# KiCad board omodri_sa_laas.kicad_pcb
title: Open MOtor DRiver Initiative  - Single Axis (OMODRI_SA); date: 2024-05-15; rev: 1.0; company: LAAS/CNRS
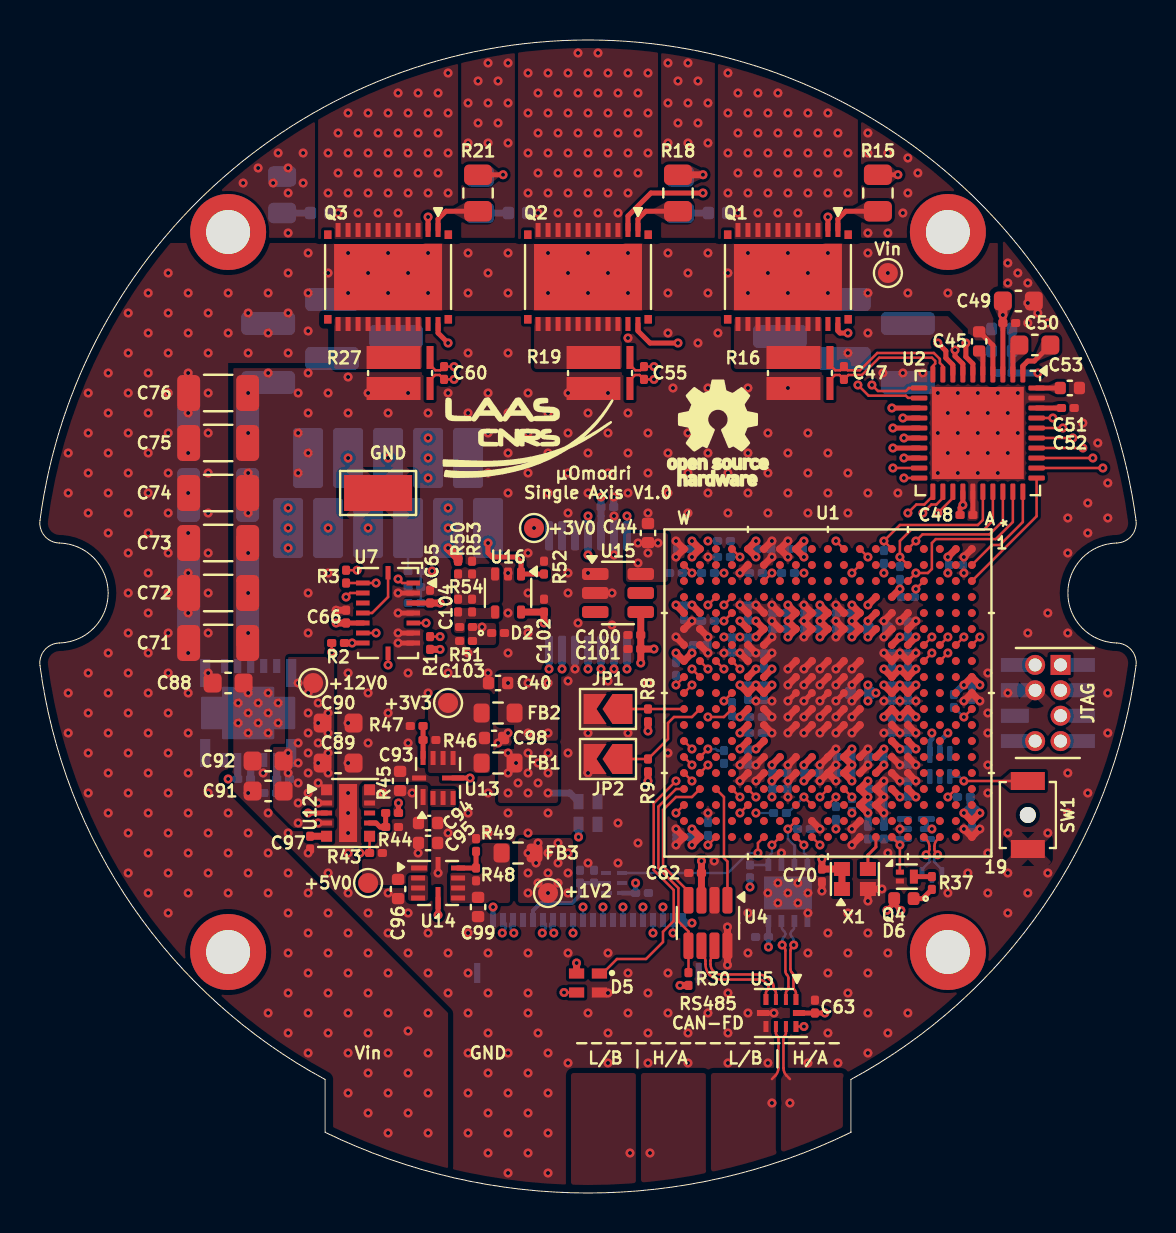
[diagram p0: board, top side]
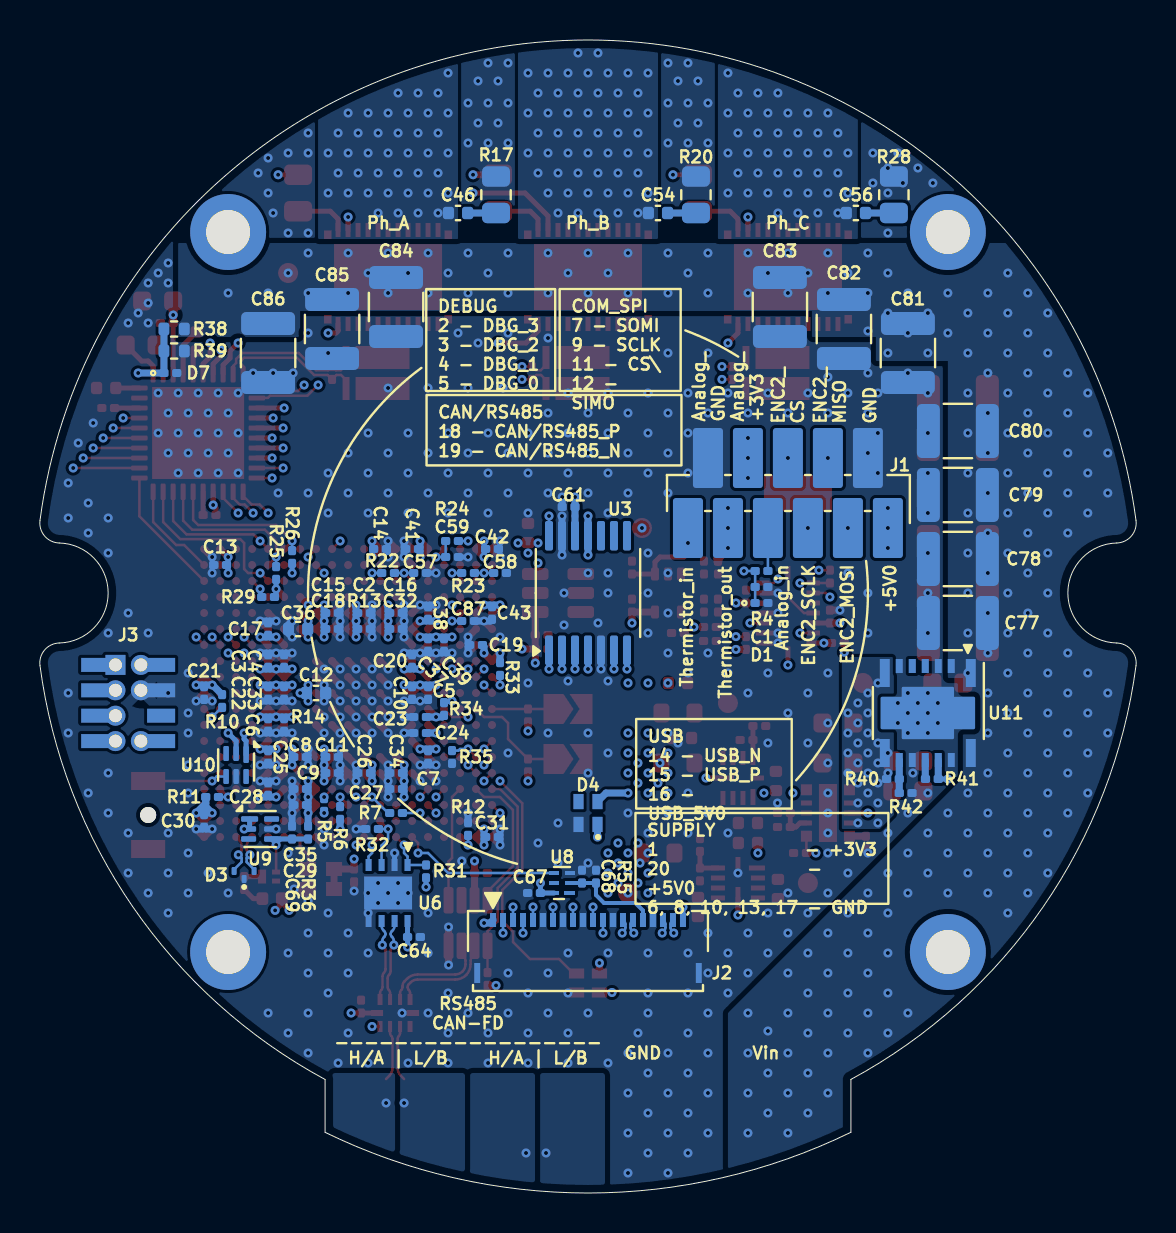
[diagram p1: board, bottom side, seen from below]

Outline 54.82 x 57.65 mm; copper layers: Top, In1_GND.Cu (plane), In2_sig.Cu, In3_GND.Cu (plane), In4_sig.Cu, In5_PWR.Cu (plane), In6_GND.Cu (plane), Bottom. Coordinates in mm from the lower left corner of the outline.
Outline path: 0,33.63 arc(27.41,57.65) 54.82,33.63 arc(54.59,32.85) 53.85,32.5 arc(51.41,30) 53.85,27.5 arc(54.59,27.15) 54.82,26.37 arc(50.18,14.31) 40.56,5.68 40.56,3.04 arc(27.41,0) 14.26,3.04 14.26,5.68 arc(4.64,14.31) 0,26.37 arc(0.23,27.15) 0.97,27.5 arc(3.41,30) 0.97,32.5 arc(0.23,32.85) 0,33.63
Stack: Top 0.035mm / dielectric 0.1mm FR4 er 4.5 / In1_GND.Cu 0.035mm / dielectric 0.3mm FR4 er 4.5 / In2_sig.Cu 0.035mm / dielectric 0.1mm FR4 er 4.5 / In3_GND.Cu 0.035mm / dielectric 0.3mm FR4 er 4.5 / In4_sig.Cu 0.035mm / dielectric 0.1mm FR4 er 4.5 / In5_PWR.Cu 0.035mm / dielectric 0.3mm FR4 er 4.5 / In6_GND.Cu 0.035mm / dielectric 0.1mm FR4 er 4.5 / Bottom 0.035mm

## Placement (name value [footprint] x y rotation side)
C1  220n  [C_0201_0603Metric]  18.73 30.3 180 bottom
C2  100n  [C_0201_0603Metric]  38.61 29 180 bottom
C3  100n  [C_0201_0603Metric]  43.41 26.6 90 bottom
C4  100n  [C_0201_0603Metric]  42.61 26.6 90 bottom
C5  100n  [C_0201_0603Metric]  35.41 25 270 bottom
C6  100n  [C_0201_0603Metric]  43.41 23.4 270 bottom
C7  100n  [C_0201_0603Metric]  35.41 21.8 270 bottom
C8  100n  [C_0201_0603Metric]  41.81 21.8 180 bottom
C9  100n  [C_0201_0603Metric]  40.21 21 180 bottom
C10  1u  [C_0201_0603Metric]  36.21 25 270 bottom
C11  1u  [C_0201_0603Metric]  40.21 21.8 180 bottom
C12  10u  [C_0402_1005Metric]  41.01 25 180 bottom
C13  100n  [C_0201_0603Metric]  45.81 31.4 0 bottom
C14  100n  [C_0201_0603Metric]  37.81 32.2 180 bottom
C15  100n  [C_0201_0603Metric]  40.21 29 180 bottom
C16  100n  [C_0201_0603Metric]  37.01 29 180 bottom
C17  100n  [C_0201_0603Metric]  43.41 28.2 90 bottom
C18  100n  [C_0201_0603Metric]  40.21 28.2 180 bottom
C19  100n  [C_0201_0603Metric]  33.01 27.4 0 bottom
C20  100n  [C_0201_0603Metric]  36.21 26.6 90 bottom
C21  100n  [C_0201_0603Metric]  46.61 25 270 bottom
C22  100n  [C_0201_0603Metric]  43.41 25 270 bottom
C23  100n  [C_0201_0603Metric]  35.81 23.8 0 bottom
C24  100n  [C_0201_0603Metric]  35.81 23 0 bottom
C25  100n  [C_0201_0603Metric]  43.41 21.8 270 bottom
C26  100n  [C_0201_0603Metric]  38.61 21 0 bottom
C27  100n  [C_0201_0603Metric]  37.01 20.2 0 bottom
C28  100n  [C_0201_0603Metric]  43.41 20.2 90 bottom
C29  100n  [C_0201_0603Metric]  41.81 19.4 0 bottom
C30  100n  [C_0201_0603Metric]  46.61 18.6 270 bottom
C31  100n  [C_0201_0603Metric]  32.21 17.8 180 bottom
C32  1u  [C_0201_0603Metric]  37.01 28.2 180 bottom
C33  1u  [C_0201_0603Metric]  42.61 25 270 bottom
C34  1u  [C_0201_0603Metric]  37.01 21 0 bottom
C35  1u  [C_0201_0603Metric]  41.81 20.2 0 bottom
C36  10u  [C_0402_1005Metric]  41.91 28.2 0 bottom
C37  100n  [C_0201_0603Metric]  35.41 27.4 270 bottom
C38  100n  [C_0201_0603Metric]  35.41 29 90 bottom
C39  1u  [C_0201_0603Metric]  34.61 27.4 270 bottom
C40  10u  [C_0402_1005Metric]  22.91 25.5 180 top
C41  100n  [C_0201_0603Metric]  36.21 32.2 0 bottom
C42  100n  [C_0201_0603Metric]  32.21 32.2 180 bottom
C43  1u  [C_0201_0603Metric]  32.21 29 270 bottom
C44  10u  [C_0402_1005Metric]  30.41 33 90 top
C45  1u  [C_0402_1005Metric]  46.98 42.58 270 top
C46  4.7n  [C_0402_1005Metric]  33.91 49 0 bottom
C47  1.8n  [C_0201_0603Metric]  40.21 41 90 top
C48  100n  [C_0201_0603Metric]  46.34 33.9 0 top
C49  10u  [C_0603_1608Metric]  48.94 44.6 0 top
C50  100n  [C_0201_0603Metric]  48.48 43.5 0 top
C51  1u  [C_0402_1005Metric]  51.51 40.25 180 top
C52  1u  [C_0201_0603Metric]  51.41 39.25 0 top
C53  47n  [C_0603_1608Metric]  49.76 42.4 0 top
C54  4.7n  [C_0402_1005Metric]  23.91 49 0 bottom
C55  1.8n  [C_0201_0603Metric]  30.21 41 90 top
C56  4.7n  [C_0402_1005Metric]  14.01 49 0 bottom
C57  1.8n  [C_0201_0603Metric]  35.81 31 180 bottom
C58  1.8n  [C_0201_0603Metric]  31.81 31 180 bottom
C59  1.8n  [C_0201_0603Metric]  34.21 31.8 180 bottom
C60  1.8n  [C_0201_0603Metric]  20.21 41 90 top
C61  100n  [C_0201_0603Metric]  28.38 34.3 0 bottom
C62  100n  [C_0201_0603Metric]  32.77 16 180 top
C63  100n  [C_0201_0603Metric]  38.76 9.32 90 top
C64  100n  [C_0201_0603Metric]  36.12 12.8 180 bottom
C65  100n  [C_0201_0603Metric]  19.51 29.82 90 top
C66  100n  [C_0201_0603Metric]  15.31 28.82 90 top
C67  100n  [C_0201_0603Metric]  30.11 15 0 bottom
C68  100n  [C_0201_0603Metric]  27.71 15.82 270 bottom
C69  100n  [C_0201_0603Metric]  42.21 18.02 90 bottom
C70  100n  [C_0201_0603Metric]  39.11 15.88 270 top
C71  4.7u  [C_1206_3216Metric]  8.91 27.5 0 top
C72  4.7u  [C_1206_3216Metric]  8.91 30 0 top
C73  4.7u  [C_1206_3216Metric]  8.91 32.5 0 top
C74  4.7u  [C_1206_3216Metric]  8.91 35 0 top
C75  4.7u  [C_1206_3216Metric]  8.91 37.5 0 top
C76  4.7u  [C_1206_3216Metric]  8.91 40 0 top
C77  10u  [C_1210_3225Metric]  8.91 28.5 0 bottom
C78  10u  [C_1210_3225Metric]  8.91 31.7 0 bottom
C79  10u  [C_1210_3225Metric]  8.91 34.9 0 bottom
C80  10u  [C_1210_3225Metric]  8.91 38.1 0 bottom
C81  10u  [C_1210_3225Metric]  11.41 42 270 bottom
C82  10u  [C_1210_3225Metric]  14.61 43.2 270 bottom
C83  10u  [C_1210_3225Metric]  17.81 44.3 270 bottom
C84  10u  [C_1210_3225Metric]  37.01 44.3 270 bottom
C85  10u  [C_1210_3225Metric]  40.21 43.2 270 bottom
C86  10u  [C_1210_3225Metric]  43.41 42 270 bottom
C87  100n  [C_0201_0603Metric]  33.41 28.6 180 bottom
C88  100n  [C_0603_1608Metric]  9.41 25.5 0 top
C89  10u  [C_0603_1608Metric]  14.91 21.5 0 top
C90  10u  [C_0603_1608Metric]  14.91 23.5 0 top
C91  10u  [C_0603_1608Metric]  11.41 20.1 180 top
C92  10u  [C_0603_1608Metric]  11.41 21.6 180 top
C93  10u  [C_0402_1005Metric]  18.01 20.6 90 top
C94  10u  [C_0402_1005Metric]  19.41 18.5 0 top
C95  10u  [C_0402_1005Metric]  19.41 17.5 0 top
C96  10u  [C_0402_1005Metric]  17.91 15.2 270 top
C97  1.8n  [C_0201_0603Metric]  13.51 17.52 270 top
C98  10u  [C_0402_1005Metric]  22.71 22.75 0 top
C99  10u  [C_0402_1005Metric]  21.91 14.3 270 top
C100  1u  [C_0201_0603Metric]  29.73 27.9 180 top
C101  100n  [C_0201_0603Metric]  29.73 27.2 180 top
C102  100n  [C_0201_0603Metric]  25.21 29.37 90 top
C103  220n  [C_0201_0603Metric]  21.31 27.6 180 top
C104  1.8n  [C_0201_0603Metric]  20.91 29.37 270 top
D1  TPD1E04U04  [D_0201_0603Metric]  18.73 29.5 180 bottom
D2  TPD1E04U04  [D_0201_0603Metric]  22.91 28 0 top
D3  ESD122  [TI_X2SON-3_1.3x0.6mm_P1.0mm]  44.61 15.9 90 bottom
D4  NeoPixel_1515  [NeoPixel_SK6805_1.5x1.5mm]  27.41 19 90 bottom
D5  NeoPixel_1515  [NeoPixel_SK6805_1.5x1.5mm]  27.41 10.5 180 top
D6  LED GREEN  [LED_0402_1005Metric]  43.21 14.72 180 top
D7  TPD1E04U04  [D_0201_0603Metric]  48.3 41 180 bottom
FB1  220  [R_0603_1608Metric]  22.91 21.5 0 top
FB2  220  [R_0603_1608Metric]  22.91 24 0 top
FB3  220  [R_0603_1608Metric]  23.91 17 0 top
G1  SYM_LAAS  [logo_laas]  24.41 38 0 top
G2  SYM_PROJECT  [logo_OpenHardware]  33.91 38 0 top
H1  MountingHole  [MountingHole_2.2mm_M2_ISO14580_Pad_TopBottom]  9.41 12.05 0 top
H2  MountingHole  [MountingHole_2.2mm_M2_ISO14580_Pad_TopBottom]  45.41 48.05 0 top
H3  MountingHole  [MountingHole_2.2mm_M2_ISO14580_Pad_TopBottom]  9.41 48.05 0 top
H4  MountingHole  [MountingHole_2.2mm_M2_ISO14580_Pad_TopBottom]  45.41 12.05 0 top
J1  Conn_01x11  [PinSocket_1x11_P1.00mm_SMD_Pin1Right_omodri_sa]  17.41 35 270 bottom
J2  conn_01x20_MountingPins  [Molex_FBH1_FFC_FPC_503480-2000_1x20-2MP_P0.50mm_Horizontal]  27.41 11 180 bottom
J3  SAMTEC_CLP_02x04_SMD  [SAMTEC_CLP-104-02-L-D-BE]  50.41 24.5 0 top
JP1  SolderJumper_2_Open  [SolderJumper-2_P1.3mm_Open_TrianglePad1.0x1.5mm]  28.41 24.2 180 top
JP2  SolderJumper_2_Open  [SolderJumper-2_P1.3mm_Open_TrianglePad1.0x1.5mm]  28.41 21.7 180 top
Q1  CSD88599Q5DC  [VSON_CLIP_22]  37.41 45.8 270 top
Q2  CSD88599Q5DC  [VSON_CLIP_22]  27.41 45.8 270 top
Q3  CSD88599Q5DC  [VSON_CLIP_22]  17.41 45.8 270 top
Q4  NX7002BKM  [Diodes_DFN1006-3]  43.36 15.82 0 top
R1  10k  [R_0201_0603Metric]  19.51 27.5 270 top
R2  10  [R_0201_0603Metric]  14.91 27.5 180 top
R3  10  [R_0201_0603Metric]  15.31 30.82 90 top
R4  120  [R_0201_0603Metric]  18.73 31.1 180 bottom
R5  10  [R_0201_0603Metric]  40.61 19.4 270 bottom
R6  10k  [R_0201_0603Metric]  39.81 19 90 bottom
R7  10  [R_0201_0603Metric]  37.01 19 180 bottom
R8  10k  [R_0201_0603Metric]  30.41 23.88 90 top
R9  10k  [R_0201_0603Metric]  30.41 21.38 90 top
R10  10k  [R_0201_0603Metric]  45.71 24.6 270 bottom
R11  10k  [R_0201_0603Metric]  46.21 19.8 180 bottom
R12  10k  [R_0201_0603Metric]  33.41 18.2 90 bottom
R13  120  [R_0201_0603Metric]  38.61 28.2 180 bottom
R14  120  [R_0201_0603Metric]  42.61 23.4 270 bottom
R15  4.7  [R_0805_2012Metric]  41.91 50 270 top
R16  0.005  [FC4L32]  38.01 41 270 top
R17  2.2  [R_0805_2012Metric]  32.01 49.91 270 bottom
R18  4.7  [R_0805_2012Metric]  31.91 50 270 top
R19  0.005  [FC4L32]  28.01 41 270 top
R20  2.2  [R_0805_2012Metric]  22.01 49.91 270 bottom
R21  4.7  [R_0805_2012Metric]  21.91 50 270 top
R22  120  [R_0201_0603Metric]  37.41 31 0 bottom
R23  120  [R_0201_0603Metric]  33.41 31 0 bottom
R24  120  [R_0201_0603Metric]  34.21 32.6 180 bottom
R25  10k  [R_0201_0603Metric]  43.01 31 270 bottom
R26  10k  [R_0201_0603Metric]  42.21 31.8 270 bottom
R27  0.005  [FC4L32]  18.01 41 270 top
R28  2.2  [R_0805_2012Metric]  12.11 49.91 270 bottom
R29  10k  [R_0201_0603Metric]  43.41 29.8 180 bottom
R30  10k  [R_0201_0603Metric]  32.44 10.7 90 top
R31  10k  [R_0201_0603Metric]  35.51 16.08 270 bottom
R32  10k  [R_0201_0603Metric]  38.21 18.2 180 bottom
R33  10k  [R_0201_0603Metric]  31.81 26.2 90 bottom
R34  10k  [R_0201_0603Metric]  34.61 24.2 270 bottom
R35  10k  [R_0201_0603Metric]  34.21 21.8 270 bottom
R36  10k  [R_0201_0603Metric]  41.41 18.02 270 bottom
R37  120  [R_0201_0603Metric]  44.61 15.5 90 top
R38  100k  [R_0402_1005Metric]  48.11 43.2 0 bottom
R39  5.1k  [R_0402_1005Metric]  48.11 42.1 180 bottom
R40  100k  [R_0201_0603Metric]  12.16 20.7 180 bottom
R41  100k  [R_0201_0603Metric]  10.21 20.7 0 bottom
R42  9.09k  [R_0201_0603Metric]  11.52 20 0 bottom
R43  100k  [R_0201_0603Metric]  16.81 17 180 top
R44  100k  [R_0201_0603Metric]  17.61 18.3 180 top
R45  13.7k  [R_0201_0603Metric]  17.61 19 180 top
R46  100k  [R_0201_0603Metric]  19.48 22.65 180 top
R47  22.1k  [R_0201_0603Metric]  18.84 23.35 180 top
R48  100k  [R_0201_0603Metric]  21.81 15.93 90 top
R49  100k  [R_0201_0603Metric]  21.81 17.4 90 top
R50  6.84k  [R_0201_0603Metric]  20.91 31.27 90 top
R51  120  [R_0201_0603Metric]  21.31 28.3 0 top
R52  10k  [R_0201_0603Metric]  25.21 31.27 270 top
R53  6.22k  [R_0201_0603Metric]  21.61 31.27 270 top
R54  10k  [R_0201_0603Metric]  21.61 29.37 270 top
R55  100k  [R_0201_0603Metric]  27.01 15.82 90 bottom
SW1  B3U-1000P-B  [SW_SPST_B3U-1000P-B]  49.41 18.9 90 top
TP1  GND  [TestPoint_Keystone_5015_Micro-Minature]  16.91 35 0 top
TP2  TestPoint  [TestPoint_Pad_D1.0mm]  42.41 46 0 top
TP3  TestPoint  [TestPoint_Pad_D1.0mm]  13.66 25.5 0 top
TP4  TestPoint  [TestPoint_Pad_D1.0mm]  16.41 15.5 0 top
TP5  TestPoint  [TestPoint_Pad_D1.0mm]  20.41 24.5 0 top
TP6  TestPoint  [TestPoint_Pad_D1.0mm]  25.41 15 0 top
TP7  TestPoint  [TestPoint_Pad_D1.0mm]  24.71 33.25 0 top
U1  TMS320F28388D  [NFBGA_337]  39.41 25 270 top
U2  DRV8353S  [QFN-40-1EP_6x6mm_P0.5mm_EP4.6x4.6mm]  46.91 38 270 top
U3  AS5047U  [TSSOP-14_4.4x5mm_P0.65mm]  27.41 30 90 bottom
U4  TCAN3414  [SOT-23-8]  33.41 13.5 270 top
U5  TS3USB221E  [UQFN-10_1.5x2mm_P0.5mm]  37.06 9 270 top
U6  THVD2450  [VSON-8-1EP_3.0x3.0mm_P0.65mm_EP1.65x2.4mm]  37.41 15 270 bottom
U7  BMI088  [Bosch_LGA-16_4.5x3.0mm_P0.5mm]  17.41 29 0 top
U8  74LVC1G17  [SOT886_USON_6_1.45x1.0mm_P0.5mm]  28.71 15.5 0 bottom
U9  TPS3703-3.3  [WSON-6_1.5x1.5mm_P0.5mm]  43.81 18.2 180 bottom
U10  TPS3703-1.2  [WSON-6_1.5x1.5mm_P0.5mm]  45.01 21.4 270 bottom
U11  TPSM560R6H  [B3QFN_15]  10.41 24 270 bottom
U12  TPSM8290x  [uSIP_11]  15.41 19 0 top
U13  MPM3804GG-Z  [QFN-10_2x2mm_P0.5mm]  19.91 20.75 90 top
U14  MPM3804GG-Z  [QFN-10_2x2mm_P0.5mm]  19.91 15.5 0 top
U15  LT6654AIS6-3  [TSOT-23-6]  28.91 30 0 top
U16  OPA333xxDCK  [SOT-353_SC-70-5]  23.41 30 270 top
X1  ECS-TXO-2016  [TCXO_SMD_Ecs_TXO-2016-4Pin_2.0x1.6mm]  40.76 15.7 0 top

## Library data of the parts
C1 = -: Datasheet: https://www.murata.com/en-eu/products/productdetail?partno=GRM033R61C224KE14%23; Description: 0201, 220nf, 16V,  ±10%, X5R, SMD MLCC; DigiKey: 490-17040-1-ND; Farnell: 3582770; LCSC: C161474; Mouser: 81-GRM033R61C224KE4D; Part No: GRM033R61C224KE14D; Manufacturer: MURATA; Assembling: SMD; ki_fp_filters: C_*
C2-C9 C18-C31 C37 C38 C42 C48 C50 C61 C63-C69 = -: Datasheet: https://www.murata.com/en-eu/products/productdetail?partno=GRM033R61E104KE14%23; Description: 0201, 100nf, 25V,  ±10%, X5R, SMD MLCC; DigiKey: 490-12686-1-ND; Farnell: 2990693; LCSC: C76939; Mouser: 81-GRM033R61E104KE4D; Part No: GRM033R61E104KE14D; RS: 185-2066; Manufacturer: MURATA; Assembling: SMD; ki_fp_filters: C_*
C10 C11 C32-C35 C39 C43 C52 = -: Datasheet: https://www.murata.com/en-eu/products/productdetail?partno=GRM033C81A105ME05%23; Description: 0201, 1uf, 10V,  ±20%, X6S, SMD MLCC; DigiKey: 490-13219-1-ND; Farnell: 3243316; LCSC: C237278; Mouser: 81-GRM033C81A105ME5D; Part No: GRM033C81A105ME05D; Manufacturer: MURATA; Assembling: SMD; ki_fp_filters: C_*
C12 C36 C40 = -: Datasheet: https://www.murata.com/en-eu/products/productdetail?partno=GRM155R61A106ME11%23; Description: 0402, 10uf, 10V,  ±20%, X5R, SMD MLCC; DigiKey: 490-GRM155R61A106ME11DCT-ND; Farnell: 3785802; LCSC: C408132; Mouser: 81-GRM155R61A106ME1D; Part No: GRM155R61A106ME11D; RS: 260-8765; Manufacturer: MURATA; Assembling: SMD; ki_fp_filters: C_*
C13-C17 C87 = -: Datasheet: https://www.murata.com/en-eu/products/productdetail?partno=GRM033R61E104KE14%23; Description: 0201, 100nf, 25V,  ±10%, X5R, SMD MLCC; Part No: GRM033R61E104KE14D; Farnell: 2990693; RS: 185-2066; Mouser: 81-GRM033R61E104KE4D; DigiKey: 490-12686-1-ND; LCSC: C76939; Manufacturer: MURATA; Assembling: SMD; ki_fp_filters: C_*
C41 C62 C70 C101 C102 = -: Datasheet: https://www.murata.com/en-eu/products/productdetail?partno=GRM033R61E104KE14%23; Description: 0201, 100nf, 25V,  ±10%, X5R, SMD MLCC; DigiKey: 490-12686-1-ND; Farnell: 2990693; Mouser: 81-GRM033R61E104KE4D; Part No: GRM033R61E104KE14D; RS: 185-2066; LCSC: C76939; Manufacturer: MURATA; Assembling: SMD; ki_fp_filters: C_*
C44 C94-C96 C98 C99 = -: Datasheet: https://www.murata.com/en-eu/products/productdetail?partno=GRM155R61A106ME11%23; Description: 0402, 10uf, 10V,  ±20%, X5R, SMD MLCC; DigiKey: 490-GRM155R61A106ME11DCT-ND; Farnell: 3785802; Mouser: 81-GRM155R61A106ME1D; Part No: GRM155R61A106ME11D; RS: 260-8765; LCSC: C408132; Manufacturer: MURATA; Assembling: SMD; ki_fp_filters: C_*
C45 C51 = -: Datasheet: https://product.tdk.com/en/search/capacitor/ceramic/mlcc/info?part_no=C1005X5R1V105K050BE; Description: 0402, 1uf, 35V,  ±10%, X5R, SMD MLCC; DigiKey: 445-175218-1-ND; Farnell: 3416060; LCSC: C2169271; Mouser: 810-C1005X5R1V105KE; Part No: C1005X5R1V105K050BE; RS: 242-7292; Manufacturer: TDK; Assembling: SMD; ki_fp_filters: C_*
C46 C54 C56 = -: Datasheet: https://www.murata.com/en-eu/products/productdetail?partno=GRM155R72A472KA01%23; Description: 0402, 4700pf, 100V,  ±10%, X7R, SMD MLCC; DigiKey: 490-3885-1-ND; Farnell: 3581702; LCSC: C415704; Mouser: 81-GRM155R72A472KA01; Part No: GRM155R72A472KA01D; Manufacturer: MURATA; Assembling: SMD; ki_fp_filters: C_*
C47 C55 C57-C60 = -: Datasheet: https://www.murata.com/en-eu/products/productdetail?partno=GRM033R71E182KA12%23; Description: 0201, 1800pF, 25V, ±10%, X7R, SMD MLCC; DigiKey: 490-GRM033R71E182KA12DTR-ND; Farnell: 2999522; LCSC: C237560; Mouser: 81-GRM033R71E182KA2D; Part No: GRM033R71E182KA12D; Manufacturer: MURATA; Assembling: SMD; ki_fp_filters: C_*
C49 = -: Datasheet: https://www.murata.com/en-eu/products/productdetail?partno=GRM188R61E106MA73%23; Description: 0603, 10uf, 25V,  ±20%, X5R, SMD MLCC; DigiKey: 490-7202-1-ND; Farnell: 1907503; LCSC: C91606; Mouser: 81-GRM188R61E106MA3D; Part No: GRM188R61E106MA73D; RS: 815-1377; Manufacturer: MURATA; Assembling: SMD; ki_fp_filters: C_*
C53 = -: Datasheet: https://product.tdk.com/en/search/capacitor/ceramic/mlcc/info?part_no=C1608X7S2A473K080AB; Description: 0603, 47nf, 100V,  ±10%, X7S, SMD MLCC; DigiKey: 445-6032-1-ND; Farnell: 2906791; LCSC: C2182109; Mouser: 810-C1608X7S2A473K; Part No: C1608X7S2A473K080AB; Manufacturer: TDK; Assembling: SMD; ki_fp_filters: C_*
C71 C75 C76 = -: Datasheet: https://www.murata.com/en-eu/products/productdetail?partno=GRM31CC72A475KE11%23; Description: 1206, 4.7uf, 100V,  ±10%, X7S, SMD MLCC; DigiKey: 490-18620-1-ND; Farnell: 3790450; LCSC: C237304; Mouser: 81-GRM31CC72A475KE1L; Part No: GRM31CC72A475KE11#; RS: 2478147; Manufacturer: MURATA; Assembling: SMD; ki_fp_filters: C_*
C72 = -: Datasheet: https://www.murata.com/en-eu/products/productdetail?partno=GRM31CC72A475KE11%23; Description: 1206, 4.7uf, 100V,  ±10%, X7S, SMD MLCC; Part No: GRM31CC72A475KE11#; Farnell: 3790450; RS: 2478147; Mouser: 81-GRM31CC72A475KE1L; DigiKey: 490-18620-1-ND; LCSC: C237304; Manufacturer: MURATA; Assembling: SMD; ki_fp_filters: C_*
C73 C74 = -: Datasheet: https://www.murata.com/en-eu/products/productdetail?partno=GRM31CC72A475KE11%23; Description: 1206, 4.7uf, 100V,  ±10%, X7S, SMD MLCC; DigiKey: 490-18620-1-ND; Farnell: 3790450; Mouser: 81-GRM31CC72A475KE1L; Part No: GRM31CC72A475KE11#; LCSC: C237304; RS: 2478147; Manufacturer: MURATA; Assembling: SMD; ki_fp_filters: C_*
C77 C82 C83 = -: Datasheet: https://www.murata.com/en-eu/products/productdetail?partno=GRM32EC72A106KE05%23; Description: 1210, 10uf, 100V,  ±10%, X7S, SMD MLCC; DigiKey: 490-16266-1-ND; Farnell: 3581425; LCSC: C576517; Mouser: 81-GRM32EC72A106KE05; Part No: GRM32EC72A106KE05L; RS: 247-8166; Manufacturer: MURATA; Assembling: SMD; ki_fp_filters: C_*
C78-C81 C84 = -: Datasheet: https://www.murata.com/en-eu/products/productdetail?partno=GRM32EC72A106KE05%23; Description: 1210, 10uf, 100V,  ±10%, X7S, SMD MLCC; Part No: GRM32EC72A106KE05L; Farnell: 3581425; RS: 247-8166; Mouser: 81-GRM32EC72A106KE05; DigiKey: 490-16266-1-ND; LCSC: C576517; Manufacturer: MURATA; Assembling: SMD; ki_fp_filters: C_*
C85 C86 = -: Datasheet: https://www.murata.com/en-eu/products/productdetail?partno=GRM32EC72A106KE05%23; Description: 1210, 10uf, 100V,  ±10%, X7S, SMD MLCC; DigiKey: 490-16266-1-ND; Farnell: 3581425; Mouser: 81-GRM32EC72A106KE05; Part No: GRM32EC72A106KE05L; LCSC: C576517; RS: 247-8166; Manufacturer: MURATA; Assembling: SMD; ki_fp_filters: C_*
C88 = -: Datasheet: https://www.murata.com/en-eu/products/productdetail?partno=GRM188R72A104KA35%23; Description: 0603, 100nf, 100V,  ±10%, X7R, SMD MLCC; Part No: GRM188R72A104KA35D; Farnell: 1828921; RS: 247-8075; Mouser: 81-GRM188R72A104KA35; DigiKey: 490-3285-1-ND; LCSC: C77058; Manufacturer: MURATA; Assembling: SMD; ki_fp_filters: C_*
C89-C92 = -: Datasheet: https://www.murata.com/en-eu/products/productdetail?partno=GRM188R61E106MA73%23; Description: 0603, 10uf, 25V,  ±20%, X5R, SMD MLCC; Part No: GRM188R61E106MA73D; Farnell: 1907503; RS: 815-1377; Mouser: 81-GRM188R61E106MA3D; DigiKey: 490-7202-1-ND; LCSC: C91606; Manufacturer: MURATA; Assembling: SMD; ki_fp_filters: C_*
C93 = -: Datasheet: https://www.murata.com/en-eu/products/productdetail?partno=GRM155R61A106ME11%23; Description: 0402, 10uf, 10V,  ±20%, X5R, SMD MLCC; Part No: GRM155R61A106ME11D; Farnell: 3785802; RS: 260-8765; Mouser: 81-GRM155R61A106ME1D; DigiKey: 490-GRM155R61A106ME11DCT-ND; LCSC: C408132; Manufacturer: MURATA; Assembling: SMD; ki_fp_filters: C_*
C97 C104 = -: Datasheet: https://www.murata.com/en-eu/products/productdetail?partno=GRM033R71E182KA12%23; Description: 0201, 1800pF, 25V, ±10%, X7R, SMD MLCC; DigiKey: 490-GRM033R71E182KA12DTR-ND; Farnell: 2999522; Mouser: 81-GRM033R71E182KA2D; Part No: GRM033R71E182KA12D; LCSC: C237560; Manufacturer: MURATA; Assembling: SMD; ki_fp_filters: C_*
C100 = -: Datasheet: https://www.murata.com/en-eu/products/productdetail?partno=GRM033C81A105ME05%23; Description: 0201, 1uf, 10V,  ±20%, X6S, SMD MLCC; DigiKey: 490-13219-1-ND; Farnell: 3243316; Mouser: 81-GRM033C81A105ME5D; Part No: GRM033C81A105ME05D; LCSC: C237278; Manufacturer: MURATA; Assembling: SMD; ki_fp_filters: C_*
C103 = -: Datasheet: https://www.murata.com/en-eu/products/productdetail?partno=GRM033R61C224KE14%23; Description: 0201, 220nf, 16V,  ±10%, X5R, SMD MLCC; DigiKey: 490-17040-1-ND; Farnell: 3582770; Mouser: 81-GRM033R61C224KE4D; Part No: GRM033R61C224KE14D; LCSC: C161474; Manufacturer: MURATA; Assembling: SMD; ki_fp_filters: C_*
D1 D7 = -: Datasheet: https://www.ti.com/lit/ds/symlink/tpd1e04u04.pdf; Description: 0201, unidirectional ESD Protection Diode with Low-Capacitance, 1-Channel, 30 kV; DigiKey: 296-47862-1-ND; LCSC: C1973437; Mouser: 595-TPD1E04U04DPLT; Part No: TPD1E04U04DPLT; Manufacturer: TEXAS INSTRUMENTS; Farnell: 3004229; RS: 252-8753; Assembling: SMD
D2 = -: Datasheet: https://www.ti.com/lit/ds/symlink/tpd1e04u04.pdf; Description: 0201, unidirectional ESD Protection Diode with Low-Capacitance, 1-Channel, 30 kV; DigiKey: 296-47862-1-ND; Farnell: 3004229; LCSC: C1973437; Mouser: 595-TPD1E04U04DPLT; Part No: TPD1E04U04DPLT; Manufacturer: TEXAS INSTRUMENTS; RS: 252-8753; Assembling: SMD
D3 = -: Datasheet: https://www.ti.com/lit/ds/symlink/esd122.pdf; Description: 2-Channels, 17kVESD Protection Diode, X2SON package; DigiKey: 296-47120-1-ND; LCSC: C1975871; Mouser: 595-ESD122DMYR; Part No: ESD122DMYR; Assembling: SMD; Manufacturer: TEXAS INSTRUMENTS; Farnell: 3004225; ki_fp_filters: SOT?23*
D4 = -: Datasheet: https://cdn-shop.adafruit.com/product-files/4492/Datasheet.pdf; Description: 0606, NeoPixel Addressable LED (1.5mm x 1.5mm); DigiKey: 1528-4492-ND; Mouser: 485-4492; Part No: SK6805-EC15; LCSC: C17701801; Manufacturer: IPIXEL LED LIGHT CO; Assembling: SMD